# KiCad board EPS.kicad_pcb
date: 2020-10-19
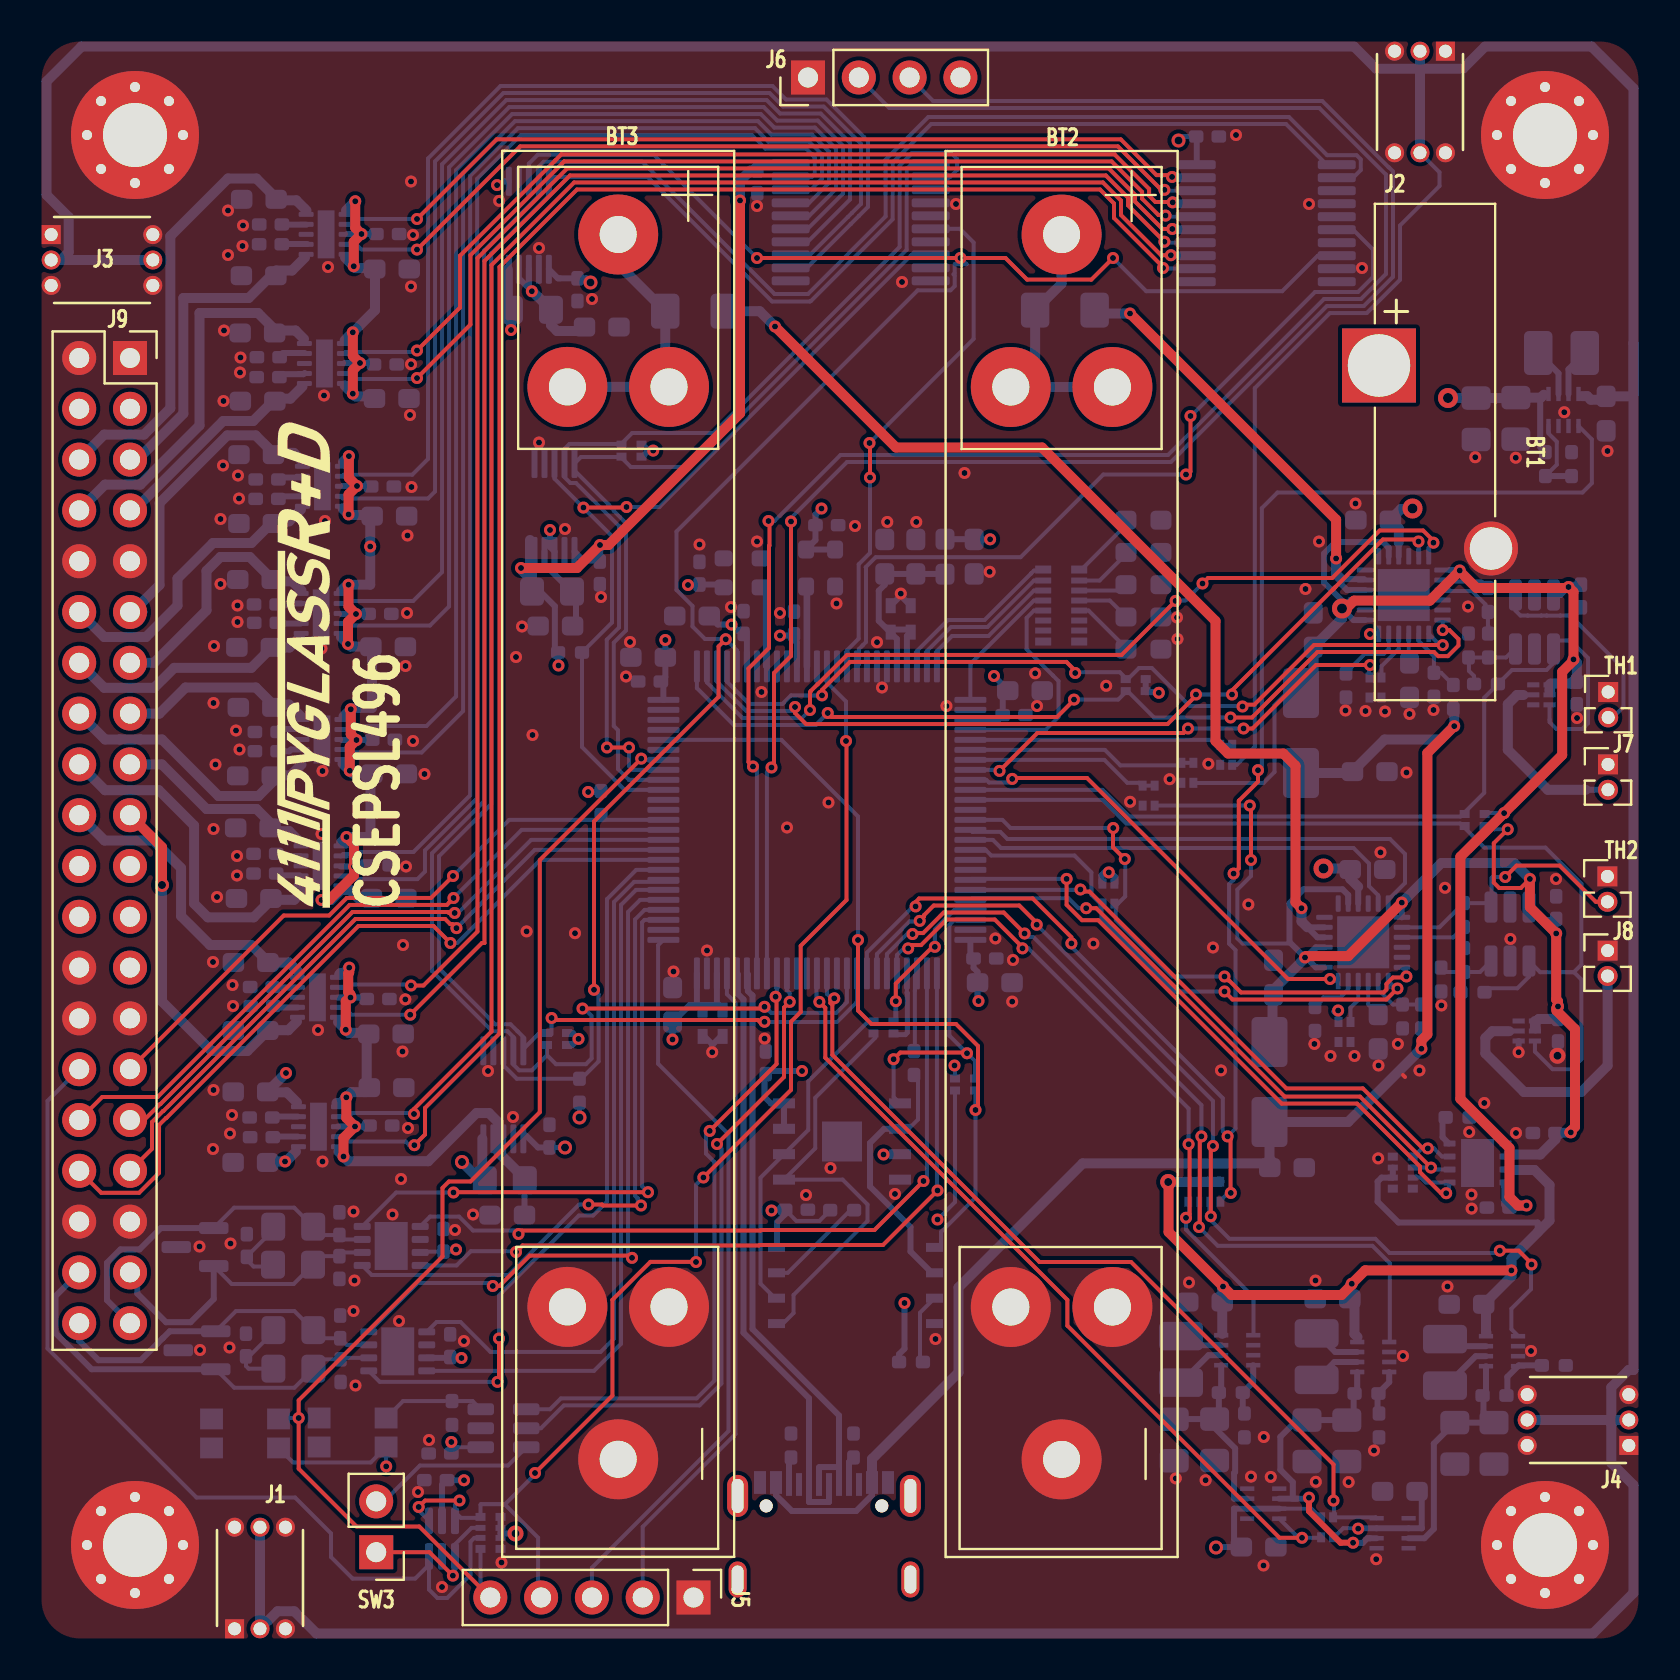
[diagram p0: board, top side]
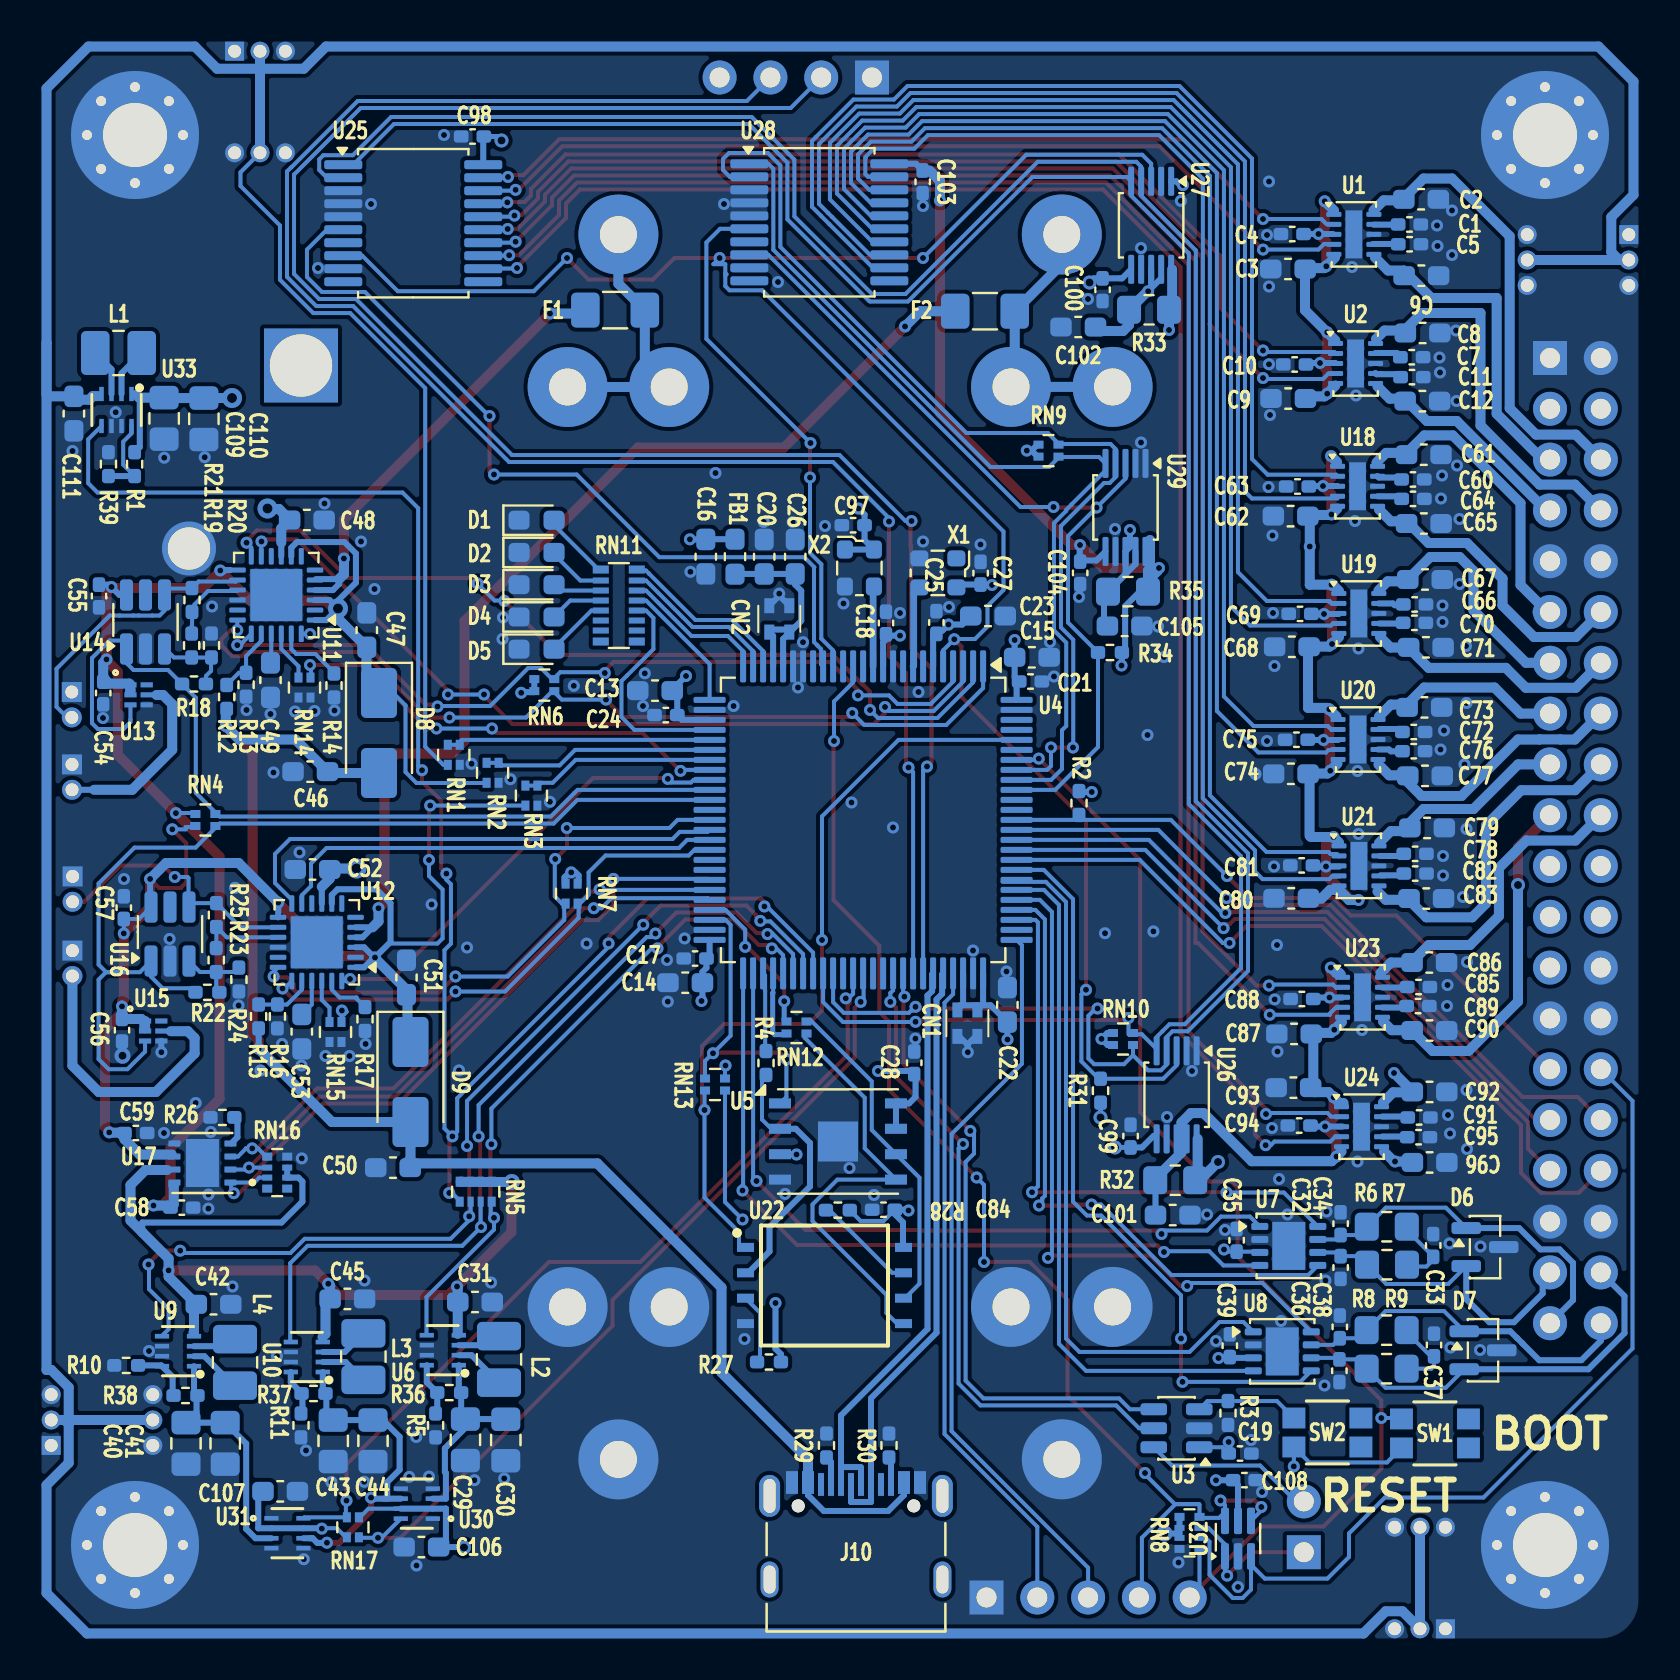
[diagram p1: board, bottom side, seen from below]

Outline 80 x 80 mm; copper layers: Top, In1.Cu (plane), In2.Cu (plane), Bottom. Coordinates in mm from the lower left corner of the outline.
Outline path: 0,78 arc(0.59,79.41) 2,80 78,80 arc(79.41,79.41) 80,78 80,2 arc(79.41,0.59) 78,0 2,0 arc(0.59,0.59) 0,2 0,78
Stack: Top 0.035mm / dielectric 0.48mm FR4 er 4.5 / In1.Cu 0.035mm / dielectric 0.48mm FR4 er 4.5 / In2.Cu 0.035mm / dielectric 0.48mm FR4 er 4.5 / Bottom 0.035mm

## Placement (name value [footprint] x y rotation side)
BT1  CR2450  [Battery_Panasonic_CR2450-VAN_Vertical_CircularHoles]  66.95 63.72 270 top
BT2  Battery_Cell  [BatteryHolder_Keystone_54_v2_1x18650]  51.08 39.65 270 top
BT3  Battery_Cell  [BatteryHolder_Keystone_54_v2_1x18650]  28.91 39.66 270 top
C1  220pF  [C_0402_1005Metric_Pad0.74x0.62mm_HandSolder]  11.53 70.78 180 bottom  (not fitted)
C2  10u  [C_0603_1608Metric_Pad1.08x0.95mm_HandSolder]  10.95 72.04 180 bottom
C3  22u  [C_0603_1608Metric_Pad1.08x0.95mm_HandSolder]  17.6 68.55 0 bottom
C4  100n  [C_0402_1005Metric_Pad0.74x0.62mm_HandSolder]  17.39 70.3 0 bottom
C5  220pF  [C_0402_1005Metric_Pad0.74x0.62mm_HandSolder]  11.52 69.79 0 bottom  (not fitted)
C6  10u  [C_0603_1608Metric_Pad1.08x0.95mm_HandSolder]  10.93 68.22 0 bottom
C7  220pF  [C_0402_1005Metric_Pad0.74x0.62mm_HandSolder]  11.41 64.14 180 bottom  (not fitted)
C8  10u  [C_0603_1608Metric_Pad1.08x0.95mm_HandSolder]  10.87 65.35 180 bottom
C9  22u  [C_0603_1608Metric_Pad1.08x0.95mm_HandSolder]  17.59 62.07 0 bottom
C10  100n  [C_0402_1005Metric_Pad0.74x0.62mm_HandSolder]  17.27 63.78 0 bottom
C11  220pF  [C_0402_1005Metric_Pad0.74x0.62mm_HandSolder]  11.4 63.14 0 bottom  (not fitted)
C12  10u  [C_0603_1608Metric_Pad1.08x0.95mm_HandSolder]  10.88 61.94 0 bottom
C13  10uF  [C_0603_1608Metric_Pad1.08x0.95mm_HandSolder]  49.25 47.47 0 bottom
C14  10uF  [C_0603_1608Metric_Pad1.08x0.95mm_HandSolder]  47.74 32.86 0 bottom
C15  10uF  [C_0603_1608Metric_Pad1.08x0.95mm_HandSolder]  30.41 49.14 180 bottom
C16  10uF  [C_0603_1608Metric_Pad1.08x0.95mm_HandSolder]  46.71 54.17 270 bottom
C17  100nF  [C_0402_1005Metric_Pad0.74x0.62mm_HandSolder]  47.25 34.08 0 bottom
C18  100nF  [C_0402_1005Metric_Pad0.74x0.62mm_HandSolder]  37.7 50.85 90 bottom
C19  100nF  [C_0402_1005Metric_Pad0.74x0.62mm_HandSolder]  20 9.32 180 bottom
C20  10uF  [C_0603_1608Metric_Pad1.08x0.95mm_HandSolder]  43.79 54.17 90 bottom
C21  100nF  [C_0402_1005Metric_Pad0.74x0.62mm_HandSolder]  30.47 47.92 0 bottom
C22  10uF  [C_0603_1608Metric_Pad1.08x0.95mm_HandSolder]  31.63 31.76 270 bottom
C23  10uF  [C_0603_1608Metric_Pad1.08x0.95mm_HandSolder]  32.6 51.2 180 bottom
C24  100nF  [C_0402_1005Metric_Pad0.74x0.62mm_HandSolder]  48.7 46.25 0 bottom
C25  100nF  [C_0402_1005Metric_Pad0.74x0.62mm_HandSolder]  35.18 50.88 90 bottom
C26  10uF  [C_0603_1608Metric_Pad1.08x0.95mm_HandSolder]  42.24 54.17 270 bottom
C27  100n  [C_0402_1005Metric_Pad0.74x0.62mm_HandSolder]  32.97 53.34 90 bottom
C28  100n  [C_0402_1005Metric_Pad0.74x0.62mm_HandSolder]  36.29 28.86 90 bottom
C29  47uF  [C_0805_2012Metric_Pad1.18x1.45mm_HandSolder]  58.73 10.01 270 bottom
C30  47uF  [C_0805_2012Metric_Pad1.18x1.45mm_HandSolder]  56.71 10 270 bottom
C31  22uF  [C_0603_1608Metric_Pad1.08x0.95mm_HandSolder]  58.25 16.9 180 bottom
C32  100p  [C_0402_1005Metric_Pad0.74x0.62mm_HandSolder]  14.97 20.81 90 bottom
C33  4n7  [C_0402_1005Metric_Pad0.74x0.62mm_HandSolder]  10.34 19.72 90 bottom
C34  100p  [C_0402_1005Metric_Pad0.74x0.62mm_HandSolder]  14.97 18.62 90 bottom
C35  100n  [C_0402_1005Metric_Pad0.74x0.62mm_HandSolder]  20.17 19.98 90 bottom
C36  100p  [C_0402_1005Metric_Pad0.74x0.62mm_HandSolder]  15.01 15.66 90 bottom
C37  4n7  [C_0402_1005Metric_Pad0.74x0.62mm_HandSolder]  10.3 14.75 90 bottom
C38  100p  [C_0402_1005Metric_Pad0.74x0.62mm_HandSolder]  15.03 13.47 90 bottom
C39  100n  [C_0402_1005Metric_Pad0.74x0.62mm_HandSolder]  20.51 14.72 90 bottom
C40  47uF  [C_0805_2012Metric_Pad1.18x1.45mm_HandSolder]  72.7 9.83 270 bottom
C41  47uF  [C_0805_2012Metric_Pad1.18x1.45mm_HandSolder]  70.74 9.83 270 bottom
C42  22uF  [C_0603_1608Metric_Pad1.08x0.95mm_HandSolder]  71.32 16.79 180 bottom
C43  47uF  [C_0805_2012Metric_Pad1.18x1.45mm_HandSolder]  65.34 9.96 270 bottom
C44  47uF  [C_0805_2012Metric_Pad1.18x1.45mm_HandSolder]  63.35 9.96 270 bottom
C45  22uF  [C_0603_1608Metric_Pad1.08x0.95mm_HandSolder]  64.63 17.06 180 bottom
C46  4.7uF  [C_0603_1608Metric_Pad1.08x0.95mm_HandSolder]  66.49 43.42 0 bottom
C47  4.7uF  [C_0603_1608Metric_Pad1.08x0.95mm_HandSolder]  63.66 50.49 90 bottom
C48  4.7uF  [C_0603_1608Metric_Pad1.08x0.95mm_HandSolder]  66.66 56 180 bottom
C49  4.7uF  [C_0603_1608Metric_Pad1.08x0.95mm_HandSolder]  68.48 47.99 270 bottom
C50  4.7uF  [C_0603_1608Metric_Pad1.08x0.95mm_HandSolder]  62.35 23.62 0 bottom
C51  4.7uF  [C_0603_1608Metric_Pad1.08x0.95mm_HandSolder]  61.67 33.12 90 bottom
C52  4.7uF  [C_0603_1608Metric_Pad1.08x0.95mm_HandSolder]  66.38 38.53 0 bottom
C53  4.7uF  [C_0603_1608Metric_Pad1.08x0.95mm_HandSolder]  66.91 30.42 270 bottom
C54  100nF  [C_0402_1005Metric_Pad0.74x0.62mm_HandSolder]  76.84 47.35 270 bottom
C55  100nF  [C_0402_1005Metric_Pad0.74x0.62mm_HandSolder]  77.05 52.2 270 bottom
C56  100nF  [C_0402_1005Metric_Pad0.74x0.62mm_HandSolder]  75.9 30.49 270 bottom
C57  100nF  [C_0402_1005Metric_Pad0.74x0.62mm_HandSolder]  75.81 36.62 90 bottom
C58  100nF  [C_0402_1005Metric_Pad0.74x0.62mm_HandSolder]  72.91 21.62 0 bottom
C59  100nF  [C_0402_1005Metric_Pad0.74x0.62mm_HandSolder]  75.21 25.35 0 bottom
C60  220pF  [C_0402_1005Metric_Pad0.74x0.62mm_HandSolder]  11.35 58.03 180 bottom  (not fitted)
C61  10u  [C_0603_1608Metric_Pad1.08x0.95mm_HandSolder]  10.81 59.27 180 bottom
C62  22u  [C_0603_1608Metric_Pad1.08x0.95mm_HandSolder]  17.47 56.19 0 bottom
C63  100n  [C_0402_1005Metric_Pad0.74x0.62mm_HandSolder]  17.12 57.67 0 bottom
C64  220pF  [C_0402_1005Metric_Pad0.74x0.62mm_HandSolder]  11.35 57.06 0 bottom  (not fitted)
C65  10u  [C_0603_1608Metric_Pad1.08x0.95mm_HandSolder]  10.81 55.83 0 bottom
C66  220pF  [C_0402_1005Metric_Pad0.74x0.62mm_HandSolder]  11.27 51.78 180 bottom  (not fitted)
C67  10u  [C_0603_1608Metric_Pad1.08x0.95mm_HandSolder]  10.75 53.03 180 bottom
C68  22u  [C_0603_1608Metric_Pad1.08x0.95mm_HandSolder]  17.41 49.66 0 bottom
C69  100n  [C_0402_1005Metric_Pad0.74x0.62mm_HandSolder]  17 51.31 0 bottom
C70  220pF  [C_0402_1005Metric_Pad0.74x0.62mm_HandSolder]  11.28 50.86 0 bottom  (not fitted)
C71  10u  [C_0603_1608Metric_Pad1.08x0.95mm_HandSolder]  10.71 49.63 0 bottom
C72  220pF  [C_0402_1005Metric_Pad0.74x0.62mm_HandSolder]  11.31 45.4 180 bottom  (not fitted)
C73  10u  [C_0603_1608Metric_Pad1.08x0.95mm_HandSolder]  10.78 46.63 180 bottom
C74  22u  [C_0603_1608Metric_Pad1.08x0.95mm_HandSolder]  17.46 43.31 0 bottom
C75  100n  [C_0402_1005Metric_Pad0.74x0.62mm_HandSolder]  17.18 45.01 0 bottom
C76  220pF  [C_0402_1005Metric_Pad0.74x0.62mm_HandSolder]  11.31 44.44 0 bottom  (not fitted)
C77  10u  [C_0603_1608Metric_Pad1.08x0.95mm_HandSolder]  10.75 43.21 0 bottom
C78  220pF  [C_0402_1005Metric_Pad0.74x0.62mm_HandSolder]  11.24 39.31 180 bottom  (not fitted)
C79  10u  [C_0603_1608Metric_Pad1.08x0.95mm_HandSolder]  10.65 40.6 180 bottom
C80  22u  [C_0603_1608Metric_Pad1.08x0.95mm_HandSolder]  17.44 37.08 0 bottom
C81  100n  [C_0402_1005Metric_Pad0.74x0.62mm_HandSolder]  16.92 38.73 0 bottom
C82  220pF  [C_0402_1005Metric_Pad0.74x0.62mm_HandSolder]  11.24 38.32 0 bottom  (not fitted)
C83  10u  [C_0603_1608Metric_Pad1.08x0.95mm_HandSolder]  10.68 37.07 0 bottom
C84  100n  [C_0402_1005Metric_Pad0.74x0.62mm_HandSolder]  37.83 21.52 0 bottom
C85  220pF  [C_0402_1005Metric_Pad0.74x0.62mm_HandSolder]  11.08 32.65 180 bottom  (not fitted)
C86  10u  [C_0603_1608Metric_Pad1.08x0.95mm_HandSolder]  10.53 33.88 180 bottom
C87  22u  [C_0603_1608Metric_Pad1.08x0.95mm_HandSolder]  17.3 30.3 0 bottom
C88  100n  [C_0402_1005Metric_Pad0.74x0.62mm_HandSolder]  16.9 32.05 0 bottom
C89  220pF  [C_0402_1005Metric_Pad0.74x0.62mm_HandSolder]  11.1 31.7 0 bottom  (not fitted)
C90  10u  [C_0603_1608Metric_Pad1.08x0.95mm_HandSolder]  10.53 30.47 0 bottom
C91  220pF  [C_0402_1005Metric_Pad0.74x0.62mm_HandSolder]  11.05 26.13 180 bottom  (not fitted)
C92  10u  [C_0603_1608Metric_Pad1.08x0.95mm_HandSolder]  10.52 27.4 180 bottom
C93  22u  [C_0603_1608Metric_Pad1.08x0.95mm_HandSolder]  17.33 27.62 0 bottom
C94  100n  [C_0402_1005Metric_Pad0.74x0.62mm_HandSolder]  17.04 25.72 0 bottom
C95  220pF  [C_0402_1005Metric_Pad0.74x0.62mm_HandSolder]  11.07 25.14 0 bottom  (not fitted)
C96  10u  [C_0603_1608Metric_Pad1.08x0.95mm_HandSolder]  10.52 23.88 0 bottom
C97  100n  [C_0402_1005Metric_Pad0.74x0.62mm_HandSolder]  39.34 55.74 0 bottom
C98  100nF  [C_0402_1005Metric_Pad0.74x0.62mm_HandSolder]  58.37 75.17 0 bottom
C99  100nF  [C_0402_1005Metric_Pad0.74x0.62mm_HandSolder]  25.47 25.19 90 bottom
C100  100nF  [C_0402_1005Metric_Pad0.74x0.62mm_HandSolder]  26.87 67.52 270 bottom
C101  10uF  [C_0603_1608Metric_Pad1.08x0.95mm_HandSolder]  23.36 21.25 180 bottom  (not fitted)
C102  10uF  [C_0603_1608Metric_Pad1.08x0.95mm_HandSolder]  28.09 65.65 0 bottom  (not fitted)
C103  100nF  [C_0402_1005Metric_Pad0.74x0.62mm_HandSolder]  35.87 72.91 270 bottom
C104  100nF  [C_0402_1005Metric_Pad0.74x0.62mm_HandSolder]  27.99 53.36 270 bottom
C105  10uF  [C_0603_1608Metric_Pad1.08x0.95mm_HandSolder]  25.77 50.7 180 bottom  (not fitted)
C106  10uF  [C_0603_1608Metric_Pad1.08x0.95mm_HandSolder]  60.93 4.65 0 bottom
C107  10uF  [C_0603_1608Metric_Pad1.08x0.95mm_HandSolder]  67.99 7.43 180 bottom
C108  100n  [C_0402_1005Metric_Pad0.74x0.62mm_HandSolder]  19.78 7.99 0 bottom
C109  47uF  [C_0805_2012Metric_Pad1.18x1.45mm_HandSolder]  73.79 61.08 270 bottom
C110  47uF  [C_0805_2012Metric_Pad1.18x1.45mm_HandSolder]  71.8 61.06 270 bottom
C111  22uF  [C_0603_1608Metric_Pad1.08x0.95mm_HandSolder]  78.3 61.32 270 bottom
CN1  100nF  [W2A2-X]  33.63 30.84 0 bottom
CN2  100nF  [W2A2-X]  43.03 51.06 180 bottom
D1  RED  [LED_0603_1608Metric_Pad1.05x0.95mm_HandSolder]  55.17 55.99 180 bottom
D2  GREEN  [LED_0603_1608Metric_Pad1.05x0.95mm_HandSolder]  55.17 54.38 180 bottom
D3  YELLOW  [LED_0603_1608Metric_Pad1.05x0.95mm_HandSolder]  55.17 52.77 180 bottom
D4  YELLOW  [LED_0603_1608Metric_Pad1.05x0.95mm_HandSolder]  55.17 51.15 180 bottom
D5  YELLOW  [LED_0603_1608Metric_Pad1.05x0.95mm_HandSolder]  55.17 49.54 180 bottom
D6  NUP2105LT1G  [SOT-23]  7.75 19.65 180 bottom  (not fitted)
D7  NUP2105LT1G  [SOT-23]  7.85 14.49 180 bottom  (not fitted)
D8  NRVBA210LNT3G  [D_SMA]  63.05 45.35 270 bottom
D9  NRVBA210LNT3G  [D_SMA]  61.47 27.9 270 bottom
F1  Polyfuse  [Fuse_1206_3216Metric_Pad1.42x1.75mm_HandSolder]  51.25 66.5 180 bottom
F2  Polyfuse  [Fuse_1206_3216Metric_Pad1.42x1.75mm_HandSolder]  32.75 66.44 180 bottom
FB1  120R  [L_0603_1608Metric_Pad1.05x0.95mm_HandSolder]  45.25 54.17 270 bottom
G***  LOGO  [4111spyglassrnd30]  16 49.18 90 top
H1  MountingHole_Pad  [MountingHole_3.2mm_M3_Pad_Via]  4.75 4.75 0 top
H2  MountingHole_Pad  [MountingHole_3.2mm_M3_Pad_Via]  75.25 4.75 0 top
H3  MountingHole_Pad  [MountingHole_3.2mm_M3_Pad_Via]  4.75 75.25 90 top
H4  MountingHole_Pad  [MountingHole_3.2mm_M3_Pad_Via]  75.25 75.25 0 top
J1  Conn_02x03_Odd_Even  [HARWIN_M50-3200345]  11 3.1 0 top  (not fitted)
J2  Conn_02x03_Odd_Even  [HARWIN_M50-3200345]  69 76.9 180 top  (not fitted)
J3  Conn_02x03_Odd_Even  [HARWIN_M50-3200345]  3.1 69 270 top  (not fitted)
J4  Conn_02x03_Odd_Even  [HARWIN_M50-3200345]  76.9 11 90 top  (not fitted)
J5  Conn_01x05_Pin Vertical  [PinHeader_1x05_P2.54mm_Vertical]  32.67 2.12 270 top
J6  Conn_01x04_Pin Vertical  [PinHeader_1x04_P2.54mm_Vertical]  38.4 78.12 90 top
J7  Conn_01x02  [PinHeader_1x02_P1.27mm_Vertical]  78.4 43.78 0 top  (not fitted)
J8  Conn_01x02  [PinHeader_1x02_P1.27mm_Vertical]  78.38 34.47 0 top  (not fitted)
J9  PC104 Conn_02x20_Odd_Even  [PinSocket_2x20_P2.54mm_Vertical]  4.5 64.1 0 top
J10  10155435-00011LF  [AMPHENOL_10155435-00011LF]  39.2 3.03 180 bottom
L1  1uH  [L_1008_2520Metric_Pad1.43x2.20mm_HandSolder]  76.07 64.35 0 bottom
L2  1uH  [L_1008_2520Metric_Pad1.43x2.20mm_HandSolder]  57.05 14.03 90 bottom
L3  1uH  [L_1008_2520Metric_Pad1.43x2.20mm_HandSolder]  63.83 14.17 90 bottom
L4  1uH  [L_1008_2520Metric_Pad1.43x2.20mm_HandSolder]  70.25 13.88 90 bottom
R1  806K  [R_0402_1005Metric_Pad0.72x0.64mm_HandSolder]  75.27 58.79 270 bottom
R2  330K  [R_0402_1005Metric_Pad0.72x0.64mm_HandSolder]  28.05 41.85 270 bottom
R3  22K  [R_0402_1005Metric_Pad0.72x0.64mm_HandSolder]  20.6 11.35 270 bottom
R4  22R  [R_0402_1005Metric_Pad0.72x0.64mm_HandSolder]  43.7 28.85 90 bottom
R5  91K  [R_0402_1005Metric_Pad0.72x0.64mm_HandSolder]  60.22 10.73 270 bottom
R6  60R4  [R_0805_2012Metric_Pad1.20x1.40mm_HandSolder]  12.66 20.67 180 bottom
R7  60R4  [R_0805_2012Metric_Pad1.20x1.40mm_HandSolder]  12.65 18.77 0 bottom
R8  60R4  [R_0805_2012Metric_Pad1.20x1.40mm_HandSolder]  12.67 15.5 180 bottom
R9  60R4  [R_0805_2012Metric_Pad1.20x1.40mm_HandSolder]  12.67 13.56 0 bottom
R10  91K  [R_0402_1005Metric_Pad0.72x0.64mm_HandSolder]  75.69 13.73 0 bottom
R11  91K  [R_0402_1005Metric_Pad0.72x0.64mm_HandSolder]  66.95 10.73 270 bottom
R12  26.7K  [R_0402_1005Metric_Pad0.72x0.64mm_HandSolder]  70.67 47.15 270 bottom
R13  10K  [R_0402_1005Metric_Pad0.72x0.64mm_HandSolder]  69.7 47.76 90 bottom
R14  1M  [R_0402_1005Metric_Pad0.72x0.64mm_HandSolder]  65.3 47.72 90 bottom
R15  26.7K  [R_0402_1005Metric_Pad0.72x0.64mm_HandSolder]  69.07 31.18 270 bottom
R16  10K  [R_0402_1005Metric_Pad0.72x0.64mm_HandSolder]  68.13 31.18 90 bottom
R17  1M  [R_0402_1005Metric_Pad0.72x0.64mm_HandSolder]  63.75 31.05 90 bottom
R18  DNP  [R_0402_1005Metric_Pad0.72x0.64mm_HandSolder]  72.3 47.8 180 bottom  (not fitted)
R19  100K  [R_0402_1005Metric_Pad0.72x0.64mm_HandSolder]  72.42 49.72 270 bottom
R20  280K  [R_0402_1005Metric_Pad0.72x0.64mm_HandSolder]  71.43 49.72 90 bottom
R21  10K  [R_0402_1005Metric_Pad0.72x0.64mm_HandSolder]  72.4 52 90 bottom
R22  DNP  [R_0402_1005Metric_Pad0.72x0.64mm_HandSolder]  71.63 32.39 180 bottom  (not fitted)
R23  100K  [R_0402_1005Metric_Pad0.72x0.64mm_HandSolder]  71.19 34 270 bottom
R24  280K  [R_0402_1005Metric_Pad0.72x0.64mm_HandSolder]  70.06 33.02 270 bottom
R25  10K  [R_0402_1005Metric_Pad0.72x0.64mm_HandSolder]  71.18 36.25 90 bottom
R26  330R  [R_0402_1005Metric_Pad0.72x0.64mm_HandSolder]  70.88 26.13 0 bottom
R27  100K  [R_0402_1005Metric_Pad0.72x0.64mm_HandSolder]  43.55 13.9 0 bottom
R28  100K  [R_0402_1005Metric_Pad0.72x0.64mm_HandSolder]  40.11 21.49 0 bottom
R29  5K1  [R_0402_1005Metric_Pad0.72x0.64mm_HandSolder]  40.67 9.72 90 bottom
R30  5K1  [R_0402_1005Metric_Pad0.72x0.64mm_HandSolder]  37.55 9.72 270 bottom
R31  100K  [R_0402_1005Metric_Pad0.72x0.64mm_HandSolder]  26.97 27.47 90 bottom
R32  10m  [R_0805_2012Metric_Pad1.20x1.40mm_HandSolder]  23.24 22.99 0 bottom
R33  10m  [R_0805_2012Metric_Pad1.20x1.40mm_HandSolder]  24.55 66.51 0 bottom
R34  100K  [R_0402_1005Metric_Pad0.72x0.64mm_HandSolder]  26.5 49.38 0 bottom
R35  10m  [R_0805_2012Metric_Pad1.20x1.40mm_HandSolder]  25.6 52.42 0 bottom
R36  511K  [R_0402_1005Metric_Pad0.72x0.64mm_HandSolder]  59.54 12.37 0 bottom
R37  490K  [R_0402_1005Metric_Pad0.72x0.64mm_HandSolder]  66.33 12.33 0 bottom
R38  511K  [R_0402_1005Metric_Pad0.72x0.64mm_HandSolder]  72.72 12.22 0 bottom
R39  91K  [R_0402_1005Metric_Pad0.72x0.64mm_HandSolder]  76.58 58.79 90 bottom
RN1  100K  [R_Array_Convex_2x0402_widepads]  59.31 44.26 90 bottom
RN2  100K  [R_Array_Convex_2x0402_widepads]  57.37 43.36 90 bottom
RN3  100K  [R_Array_Convex_2x0402_widepads]  55.43 42.22 90 bottom
RN4  100K  [R_Array_Convex_2x0402_widepads]  71.73 41 180 bottom
RN5  100K  [R_Array_Convex_4x0402_widepads]  58.22 22.42 90 bottom
RN6  100K  [R_Array_Convex_2x0402_widepads]  54.78 47.75 180 bottom
RN7  100K  [R_Array_Convex_2x0402_widepads]  53.42 37.32 270 bottom
RN8  100K  [R_Array_Convex_4x0402_widepads]  22.53 5.35 0 bottom
RN9  5K6  [R_Array_Convex_2x0402_widepads]  29.58 59.47 180 bottom
RN10  5K6  [R_Array_Convex_2x0402_widepads]  25.85 30.05 180 bottom
RN11  1K  [R_Array_Convex_8x0602_widepads]  51.06 51.72 180 bottom
RN12  22R  [R_Array_Convex_2x0402_widepads]  42.17 30.62 180 bottom
RN13  100K  [R_Array_Convex_2x0402_widepads]  46.25 27.78 0 bottom
RN14  10K  [R_Array_Convex_2x0402_widepads]  66.78 47.62 270 bottom
RN15  10K  [R_Array_Convex_2x0402_widepads]  65.22 30.4 270 bottom
RN16  100K  [R_Array_Convex_4x0402_widepads]  68.14 23.37 180 bottom
RN17  10K  [R_Array_Convex_2x0402_widepads]  64.36 5.63 270 bottom
SW1  EVP-AA602W  [EVP602AA]  10.25 10.33 180 bottom
SW2  EVP-AA602W  [EVP602AA]  15.63 10.38 180 bottom
SW3  Conn_01x02_Pin Vertical  [PinHeader_1x02_P2.54mm_Vertical]  16.81 4.39 180 top
TH1  Thermistor_NTC  [PinHeader_1x02_P1.27mm_Vertical]  78.41 47.4 0 top  (not fitted)
TH2  Thermistor_NTC  [PinHeader_1x02_P1.27mm_Vertical]  78.37 38.18 0 top  (not fitted)
U1  TPS22968QDMGRQ1  [WSON-10-1EP_2x3mm_P0.5mm_EP0.84x2.4mm]  14.31 70.28 180 bottom
U2  TPS22968QDMGRQ1  [WSON-10-1EP_2x3mm_P0.5mm_EP0.84x2.4mm]  14.22 63.83 180 bottom
U3  TPL5010  [SOT-23-6]  23.17 10.59 0 bottom
U4  STM32L496VGTx  [LQFP-100_14x14mm_P0.5mm]  38.84 41 270 bottom
U5  MR25H10  [DFN-8-1EP_6x5mm_P1.27mm_EP2x2mm]  40.1 24.92 180 bottom
U6  TPS631000DRLR  [TPS631000DRLR_TEX]  59.86 14.49 0 bottom
U7  TCAN3414  [VSON-8-1EP_3x3mm_P0.65mm_EP1.65x2.4mm]  17.56 19.7 180 bottom
U8  TCAN3414  [VSON-8-1EP_3x3mm_P0.65mm_EP1.65x2.4mm]  17.89 14.43 180 bottom
U9  TPS631000DRLR  [TPS631000DRLR_TEX]  73.1 14.44 0 bottom
U10  TPS631000DRLR  [TPS631000DRLR_TEX]  66.66 14.15 0 bottom
U11  LTC4066  [QFN-24-1EP_4x4mm_P0.5mm_EP2.6x2.6mm]  68.19 52.25 0 bottom
U12  LTC4066  [QFN-24-1EP_4x4mm_P0.5mm_EP2.6x2.6mm]  66.16 34.89 0 bottom
U13  TPS22995  [WQFN-HR6_RZG_TEX]  75.07 47.26 180 bottom
U14  MCP65R46  [SOT-23-6_Handsoldering]  74.72 50.9 90 bottom
U15  TPS22995  [WQFN-HR6_RZG_TEX]  74.34 30.45 180 bottom
U16  MCP65R46  [SOT-23-6_Handsoldering]  73.5 35.3 90 bottom
U17  TPS2115ADRBR  [SON65P300X300X100-9N]  71.88 23.85 0 bottom
U18  TPS22968QDMGRQ1  [WSON-10-1EP_2x3mm_P0.5mm_EP0.84x2.4mm]  14.12 57.69 180 bottom
U19  TPS22968QDMGRQ1  [WSON-10-1EP_2x3mm_P0.5mm_EP0.84x2.4mm]  14.06 51.33 180 bottom
U20  TPS22968QDMGRQ1  [WSON-10-1EP_2x3mm_P0.5mm_EP0.84x2.4mm]  14.1 45.03 180 bottom
U21  TPS22968QDMGRQ1  [WSON-10-1EP_2x3mm_P0.5mm_EP0.84x2.4mm]  14.05 38.7 180 bottom
U22  MT29F4G01ABAFDWB-IT:F TR  [SON127P800X600X65-8N]  40.78 17.72 180 bottom
U23  TPS22968QDMGRQ1  [WSON-10-1EP_2x3mm_P0.5mm_EP0.84x2.4mm]  13.87 32.13 180 bottom
U24  TPS22968QDMGRQ1  [WSON-10-1EP_2x3mm_P0.5mm_EP0.84x2.4mm]  13.92 25.67 180 bottom
U25  MCP23008T-E/SS  [SSOP-20_5.3x7.2mm_P0.65mm]  61.34 70.84 180 bottom
U26  INA226AIDGSR  [VSSOP-10_3x3mm_P0.5mm]  23.17 27.26 270 bottom
U27  INA226AIDGSR  [VSSOP-10_3x3mm_P0.5mm]  24.44 70.73 270 bottom
U28  MCP23008T-E/SS  [SSOP-20_5.3x7.2mm_P0.65mm]  41.03 70.89 180 bottom
U29  INA226  [VSSOP-10_3x3mm_P0.5mm]  25.72 56.63 270 bottom
U30  LM66200DRLR  [SOT-5X3_DRL_TEX]  61.16 6.82 0 bottom
U31  LM66200DRLR  [SOT-5X3_DRL_TEX]  67.63 5.34 180 bottom
U32  74LVC2G07  [SOT-363_SC-70-6]  20.1 5.07 90 bottom
U33  TPS631000DRLR  [TPS631000DRLR_TEX]  76.17 61.5 270 bottom
X1  32.768KHZ  [Oscillator_SMD_ECS_2520MV-xxx-xx-4Pin_2.5x2.0mm]  35.11 53.36 270 bottom
X2  10MHz  [Oscillator_SMD_ECS_2520MV-xxx-xx-4Pin_2.5x2.0mm]  39.03 53.6 180 bottom
